# Altium PCB omni_wheel_car_PCB.PcbDoc
Units mil, origin at the board's own origin, x right, y up, seen from the top; angles counter-clockwise.
Board outline 2000 x 2000 mil, 2 copper layers (Top Layer, Bottom Layer); 81 components, 75 nets, 346 pads, 76 vias.
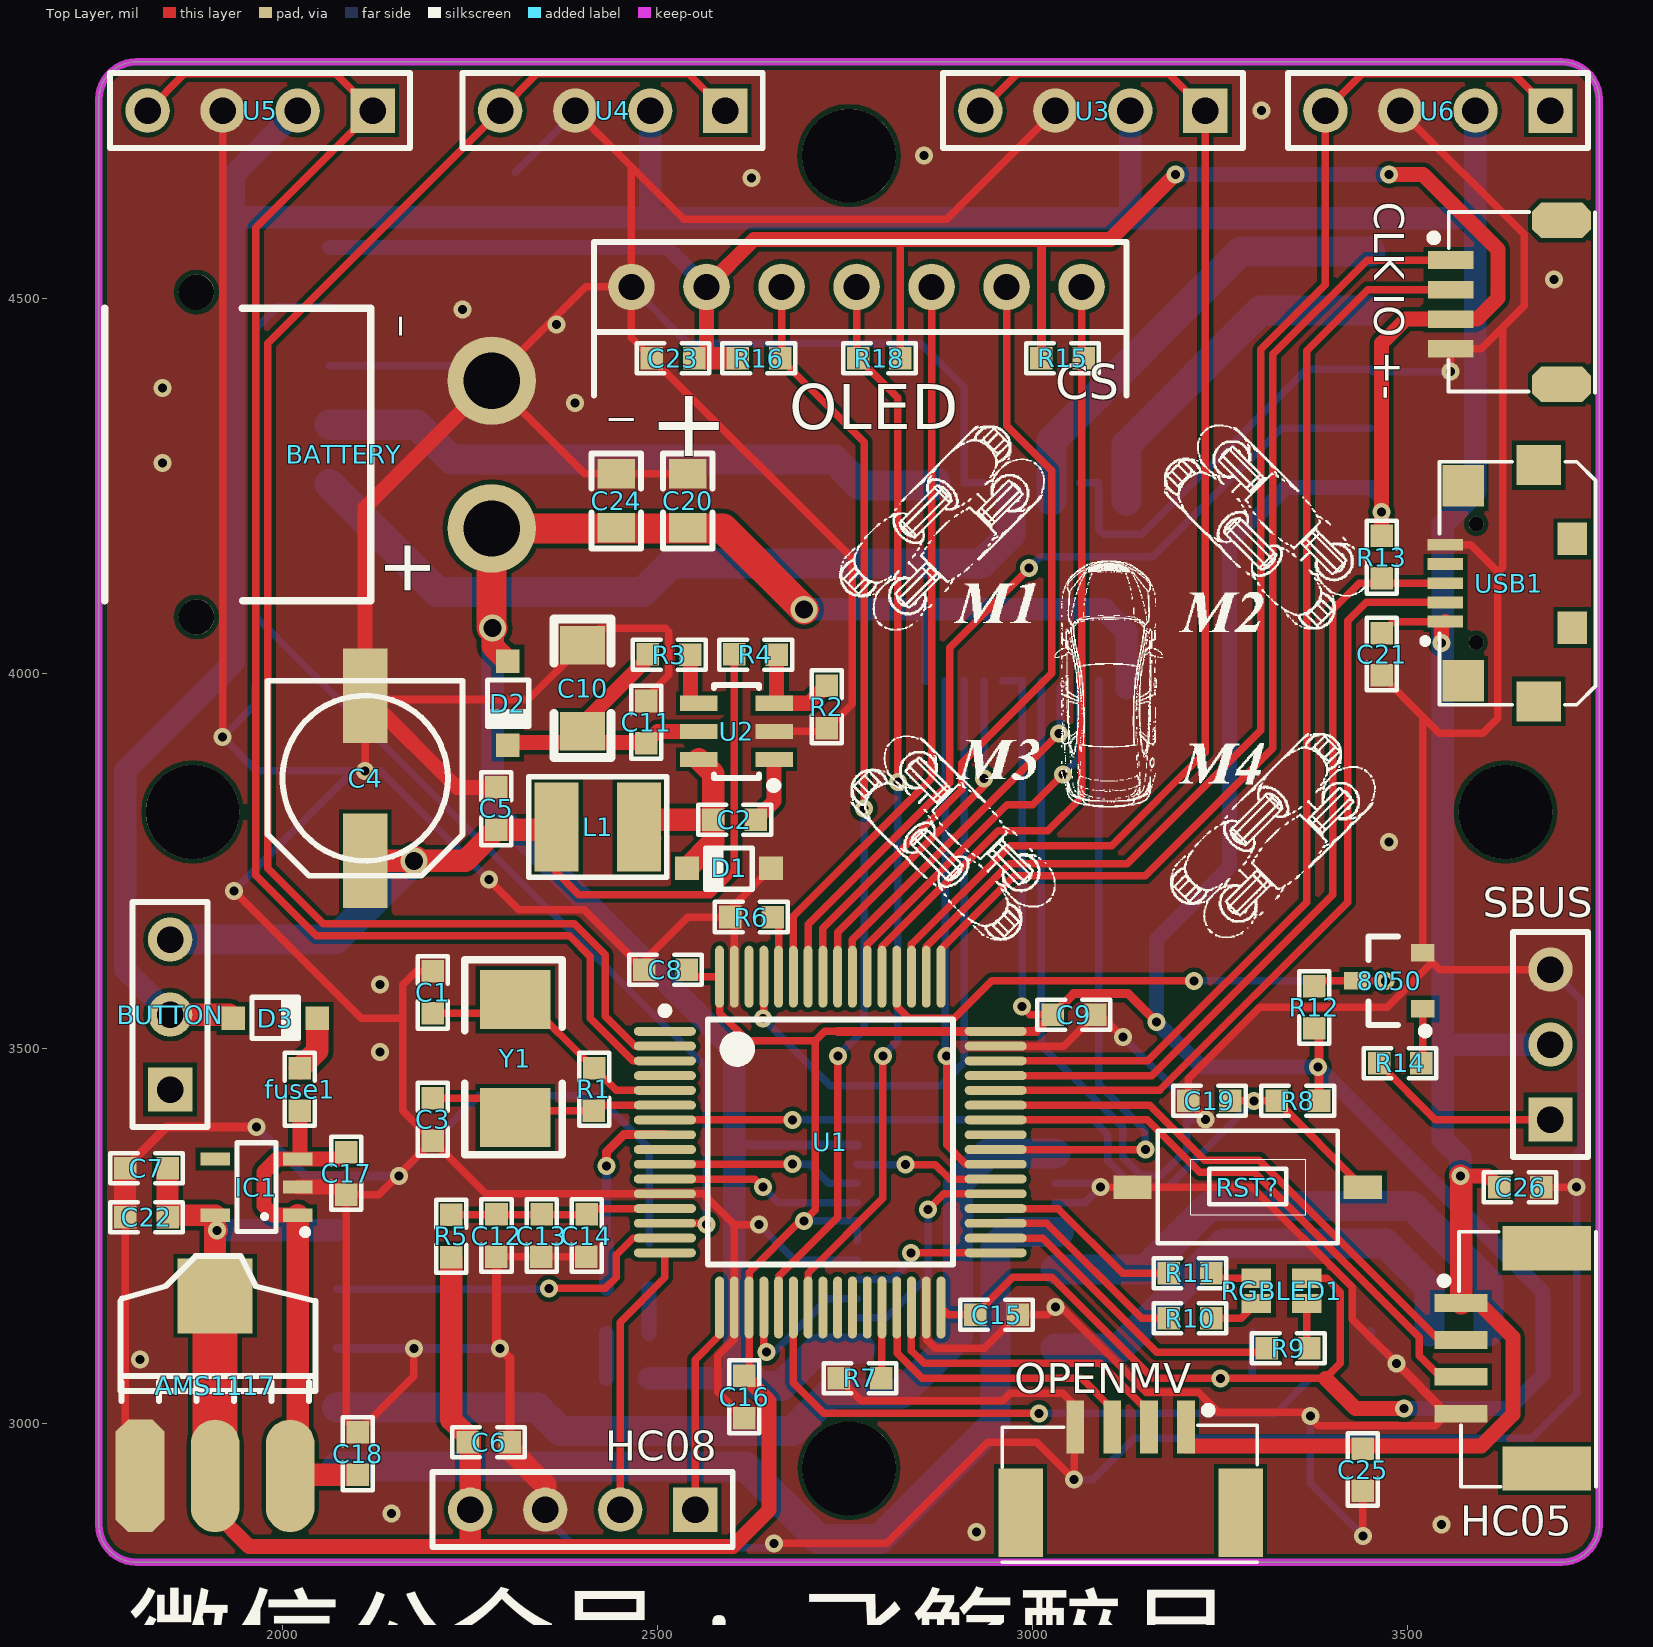
[diagram p0: Top Layer view]
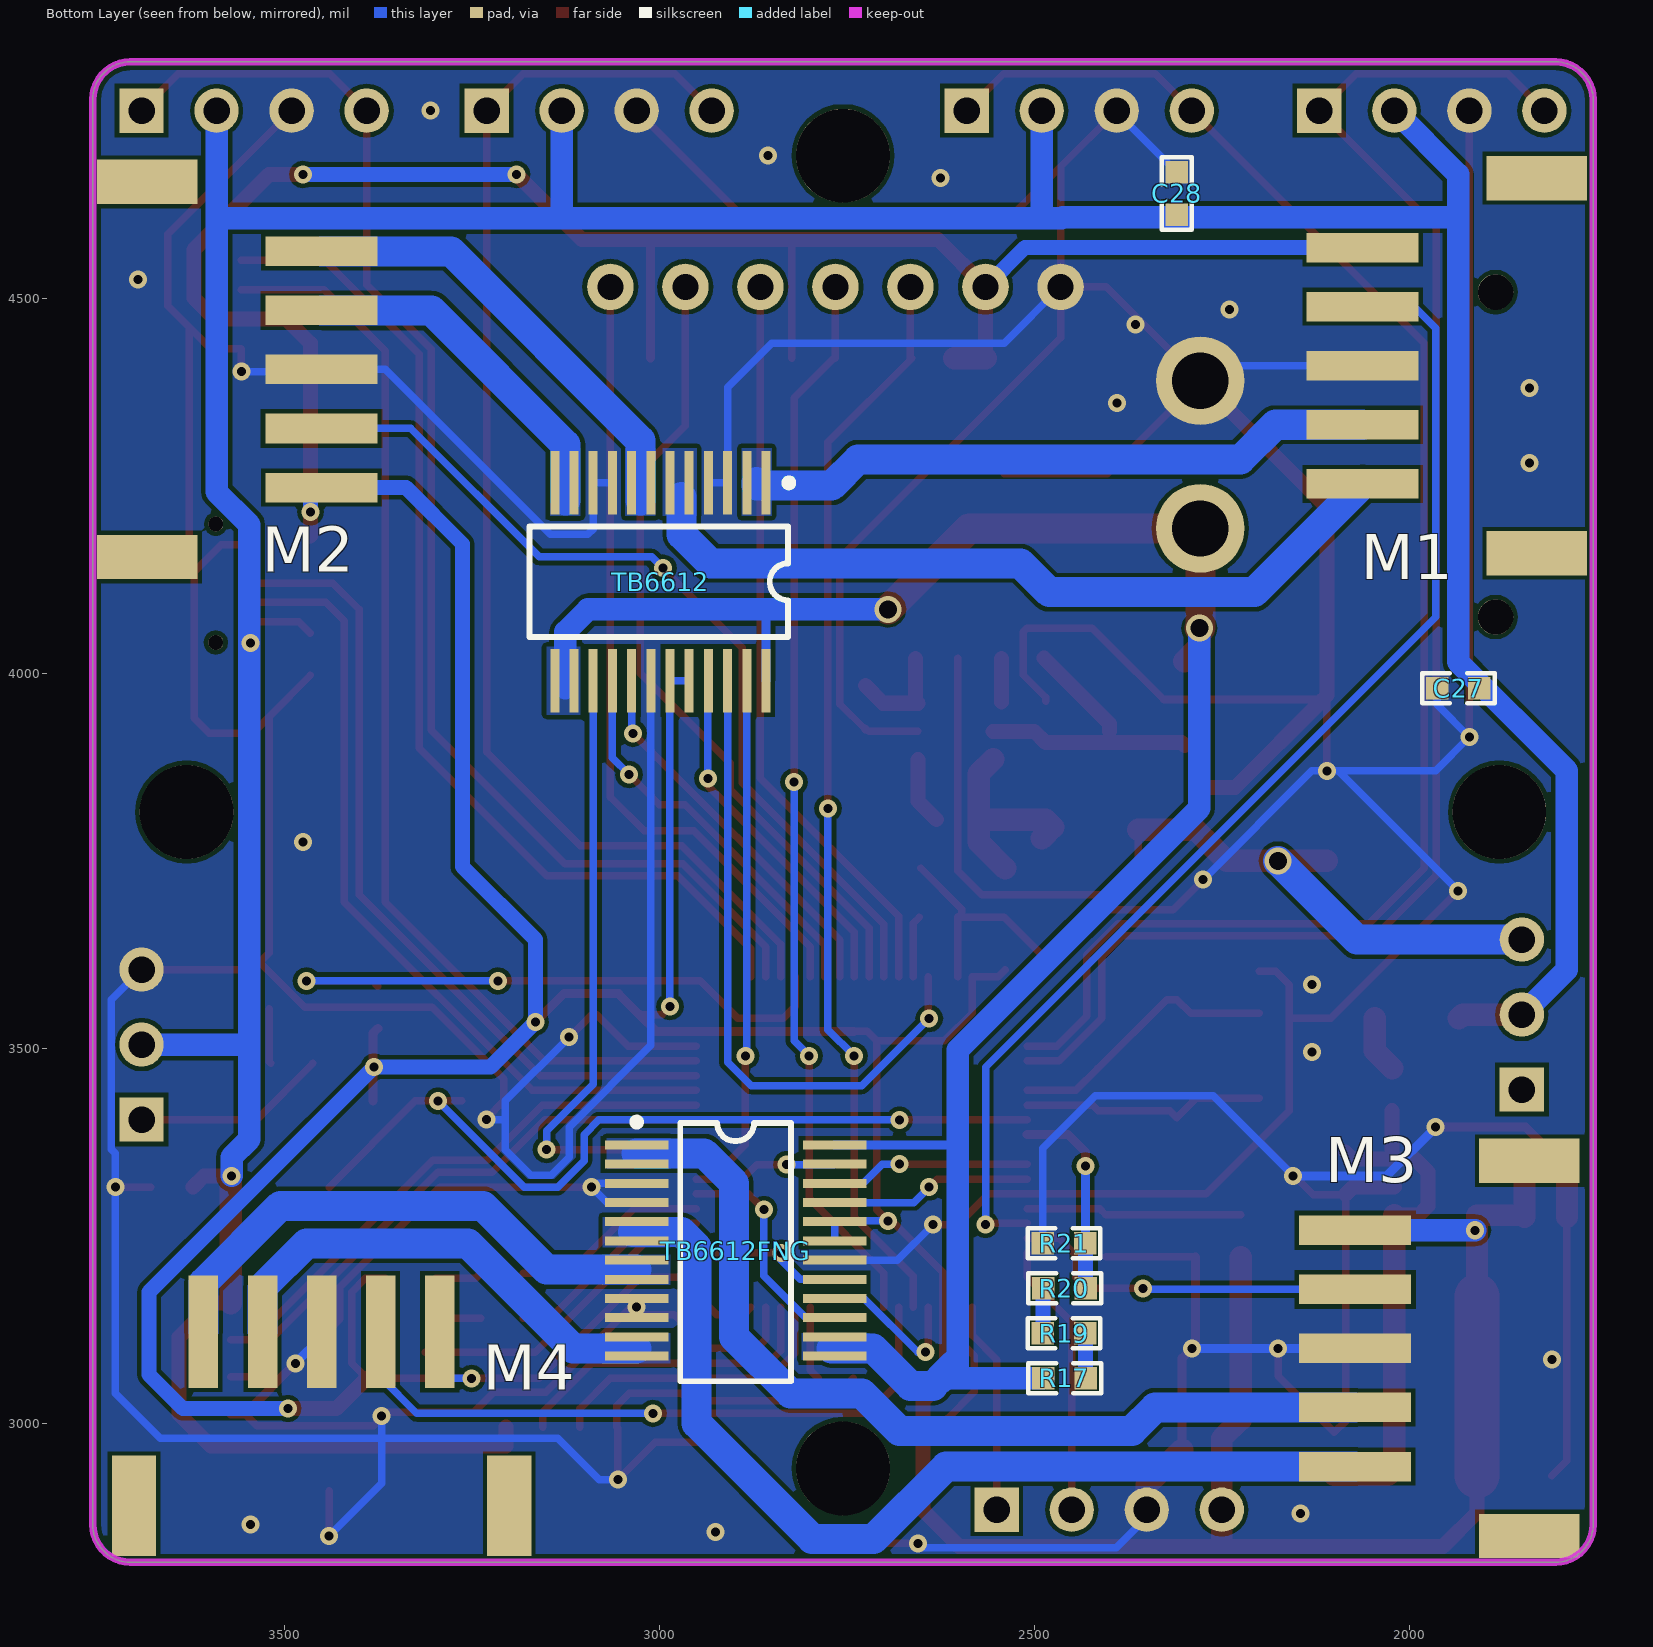
[diagram p1: Bottom Layer view, seen from below]

## Layer stack, top to bottom
Top Solder: solder mask 0.4, Solder Resist, Dk 3.5
Top Layer: signal copper 1.4
Dielectric 1: dielectric 12.6, FR-4, Dk 4.8
Bottom Layer: signal copper 1.4
Bottom Solder: solder mask 0.4, Solder Resist, Dk 3.5

## Board outline
1755,2865 1755,4765 cw(c1805,4765) 1805,4815 3705,4815 cw(c3705,4765) 3755,4765 3755,2865 cw(c3705,2865) 3705,2815 1805,2815 cw(c1805,2865)

## Design rules (kind name [scope] priority, off if disabled: settings)
Clearance [All] p1: gap=6
PolygonConnect [All] p1: connectstyle=Direct reliefconductorwidth=10 reliefentries=4 polygonreliefangle="90 Angle" airgapwidth=10
RoutingVias [All] p1: holewidth=28 width=50 viastyle="Through Hole" minholewidth=12 minwidth=24 maxholewidth=28 maxwidth=50
SolderMaskExpansion [All] p1: expansion=4
Width [All] p1: maxlimit=60 minlimit=10 preferedwidth=10
30 further rules are at their usual default settings.

## Components (designator, comment, footprint, x,y, rotation, side; value= is the part's Value field where it differs from the comment)
8050 "SS8050" SOT23-3L 3475,3590 r90 top
AMS1117 "AMS1117-3.3" AMS1117 1809.97,2930.06 r0 top
BATTERY "XT30卧贴" XT30卧贴 1885,4075 r90 top
BUTTON "bodongkaiguan" HDR1X3 1850,3445 r90 top
C1 "20p" 0603P 2200,3575 r270 top
C2 "103" 0603P 2602,3805 r0 top
C3 "20p" 0603P 2200,3405 r90 top
C4 "220uF" CC6.56.5 2110,3860 r90 top
C5 "104" 0603P 2285,3820 r270 top
C6 "104" 0603P 2275,2975 r180 top
C7 "104" 0603P 1818,3340 r0 top
C8 "104" 0603P 2510,3605 r0 top
C9 "104" 0603P 3055,3545 r180 top
C10 "10uF" 1206 2400,3980 r270 top
C11 "104" 0603P 2485,3935 r270 top
C12 "104" 0603P 2285,3250 r90 top
C13 "104" 0603P 2345,3250 r90 top
C14 "10UF" 0603P 2405,3250 r90 top
C15 "104" 0603P 2952,3145 r180 top
C16 "100UF" 0603P 2615,3035 r90 top
C17 "104" 0603P 2085,3333 r90 top
C18 "10UF" 0603P 2100,2960 r270 top
C19 "104" 0603P 3235,3430 r0 top
C20 "10uF" 0805 2540,4230 r270 top
C21 "10UF" 0603P 3465,4025 r90 top
C22 "104" 0603P 1818,3275 r0 top
C23 "104" 0603P 2520,4420 r0 top
C24 "10uF" 0805 2445,4230 r270 top
C25 "104" 0603P 3440,2938 r90 top
C26 "104" 0603P 3650,3315 r180 top
C27 "104" 0603P 1935,3980 r180 bottom
C28 "104" 0603P 2310,4640 r270 bottom
"CLK IO +-" "SWD" SH1.0-4P 3557,4550.73 r270 top
D1 "1N5819" SOD-323 2595,3740 r0 top
D2 "1N5819" SOD-323 2300,3960 r90 top
D3 "1N4148" SOD-323 1990,3540 r180 top
fuse1 "FUSE" 0603P 2023,3445 r90 top
HC05 "Header 4" GH1.25-4P 3570.83,3160.47 r270 top
HC08 "Header 4" HDR1X4 2550,2885 r180 top
IC1 "XC6204B332MR" SOT23-5L 1965,3315 r90 top
L1 "Inductor" L__1210 2415,3800 r180 top
M1 "Header 5" PH2.0卧贴5P 1830,4660 r270 bottom
M2 "Header 5" PH2.0卧贴5P 3682.28,4155 r90 bottom
M3 "Header 5" PH2.0卧贴5P 1840,3350 r270 bottom
M4 "Header 5" PH2.0卧贴5P 3200,2890 r0 bottom
OLED "OLED_0.96_7P" OLED_7P 2465,4315 r90 top
OPENMV "Header 4" GH1.25-4P 3204.21,2995 r180 top
R1 "1M" 0603P 2415,3445 r90 top
R2 "9.53K" 0603P 2725,3955 r90 top
R3 "100K" 0603P 2515,4025 r0 top
R4 "49.9K" 0603P 2630,4025 r0 top
R5 "0R" 0603P 2225,3250 r270 top
R6 "10K" 0603P 2625,3675 r180 top
R7 "10K" 0603P 2770,3060 r180 top
R8 "10K" 0603P 3353.5,3429.94 r180 top
R9 "10K" 0603P 3340,3100 r0 top
R10 "10K" 0603P 3210,3140 r180 top
R11 "10K" 0603P 3210,3200 r180 top
R12 "10K" 0603P 3375,3555 r270 top
R13 "1.5K" 0603P 3465,4155 r270 top
R14 "1K" 0603P 3490,3480 r180 top
R15 "45K" 0603P 3040,4420 r180 top
R16 "45K" 0603P 2635,4420 r180 top
R17 "10K" 0603P 2460,3060 r180 bottom
R18 "45K" 0603P 2795,4420 r0 top
R19 "10K" 0603P 2460,3120 r0 bottom
R20 "10K" 0603P 2460,3180.13 r180 bottom
R21 "10K" 0603P 2460,3240 r0 bottom
RGBLED1 "RGB_LED_1615" RGB_LED_1615 3365,3160 r180 top
RST? "KEY_M" KEY_SOP3625 3440,3315 r180 top
SBUS "HEADER3" HDR1X3 3690,3405 r90 top
TB6612 "TB6612" ssop24 2857.64,4253.78 r270 bottom
TB6612FNG "TB6612" ssop24 3030,3371.18 r180 bottom
U1 "STM32F103RET6" STM-LQFP64_M 2730,3375 r0 top
U2 "MP2359" SOT-23-6 2655,3885.2 r180 top
U3 "Header 4" HDR1X4 3230,4750 r180 top
U4 "Header 4" HDR1X4 2590,4750 r180 top
U5 "Header 4" HDR1X4 2120,4750 r180 top
U6 "Header 4" HDR1X4 3690,4750 r180 top
USB1 "USB-5P" MICRO_USB 3550,4120 r90 top
Y1 "8MHz" 5032 2262.76,3368.15 r90 top

## Footprints (in the part's own frame and the unit in brackets; to place one, negate y for a bottom-side part, rotate by r counter-clockwise, add the part's x,y. Pads: shape width x height; smd on the part's side, far side on the other; paste and mask are expansions set on the pad)
0603P [mil]
  rect 30x30 smd: 1(-28,0) 2(28.5,-0.06)
  silkscreen extent -48,-20 49,20
0805 [mil]
  rect 39.37x50 smd: 1(-36,0) 2(36,0)
  silkscreen extent -63,-33 64,33
1206 [mil]
  rect 51.18x60 smd: 1(-57.5,0) 2(57.5,0)
  silkscreen extent -93,-38 93,38
5032 [mm]
  rect 2x2.4 smd: 1(1,-1.2) 2(5,-1.2)
  silkscreen extent -0.25,-2.79 6.35,0.51
AMS1117 [mil]
  oct 65x150 smd: 1(0.03,-0.06)
  oval 65x150 smd: 2(100.03,-0.06) 3(200.03,-0.06)
  rect 100x100 smd: 4(100.03,239.94)
  silkscreen extent -26,100 234,293
CC6.56.5 [mm]
  rect 3.2x1.5 smd: 1(-2.794,0) 2(2.8,0)
  silkscreen extent -3.3,-3.3 3.3,3.3
GH1.25-4P [mm]
  rect 0.6x1.8 smd: 1(0,0) 2(1.25,0) 3(2.5,0) 4(3.75,0)
  rect 1.5x3 smd: A(-1.85,2.9) B(5.6,2.9)
  silkscreen extent -2.41,-0.7 6.22,4.57
HDR1X3 [mm]
  rect 1.5x1.5 hole 0.9: 1(0,0)
  round 1.5 hole 0.9: 2(2.54,0) 3(5.08,0)
  silkscreen extent -1.27,-1.27 6.35,1.27
HDR1X4 [mm] "Connector; Header; 4 Position"
  rect 1.5x1.5 hole 0.9: 1(0,0)
  round 1.5 hole 0.9: 2(2.54,0) 3(5.08,0) 4(7.62,0)
  silkscreen extent -1.27,-1.27 8.89,1.27
KEY_SOP3625 [mm]
  rect 1.3x0.8 smd: 1(0,0) 2(7.8,0)
  silkscreen extent 0.85,-1.9 6.95,1.9
L__1210 [mm]
  rect 1.5x3 smd: 1(-1.521,0.127) 2(1.267,0.127)
  silkscreen extent -2.46,-1.57 2.21,1.83, body extent -2.02,-1.38 1.46,1.63, height 1.9
MICRO_USB [mm]
  rect 1.35x1.5 smd: 0(-4,-3.16) 0(4,-3.16)
  rect 1.4x1.4 smd: 0(-3.3,-0.6) 0(3.3,-0.6)
  round 0.5 hole 0.5 paste+0 mask+0: 0(-2.007,-1.041) 0(2.007,-1.041)
  rect 1.1x1 smd: 0(-1.5,-4.3) 0(1.5,-4.3)
  rect 0.4x1.2 smd: 1(-1.3,0) 2(-0.65,0) 3(0,0) 4(0.65,0) 5(1.3,0)
  silkscreen extent -4.11,-5.08 4.11,0.79, body extent -3.9,-4.72 3.9,0.28, height 2.83
OLED_7P [mil]
  round 62 hole 35: 1(200,0) 2(200,-100) 3(200,-200) 4(200,-300) 5(200,-400) 6(200,-500) 7(200,-600)
  silkscreen extent 55,-660 260,50
PH2.0卧贴5P [mm]
  rect 1.5x3.4 smd: 0(0,0) 0(12.7,0)
  rect 1x3.8 smd: 1(2.35,-5.9) 2(4.35,-5.9) 3(6.35,-5.9) 4(8.35,-5.9) 5(10.35,-5.9)
RGB_LED_1615 [mm]
  rect 1x0.65 smd: 1(0,0) 2(1.7,0) 3(0,-0.85) 4(1.7,-0.85)
SH1.0-4P [mm]
  rect 0.6x1.55 smd: 1(0,0) 2(1,0) 3(2,0) 4(3,0)
  oct 1.2x2 smd: A(-1.346,3.759) B(4.21,3.759)
  silkscreen extent -1.63,-0.7 4.48,4.89
SOD-323 [mm]
  rect 0.8x0.8 smd: 1(1.422,0) 2(-1.422,0)
  silkscreen extent -0.79,-0.74 0.79,0.69
SOT23-3L [mm]
  rect 0.6x0.8 smd: 1(-0.95,-1.143) 2(0.95,-1.143) 3(0,1.125)
  silkscreen extent -1.83,-1.34 1.5,0.7, body extent -1.5,-1.2 1.5,1.2, height 1.05
SOT23-5L [mm]
  rect 0.45x1 smd: 1(-0.95,-1.4) 2(0,-1.4) 3(0.95,-1.4) 4(0.95,1.4) 5(-0.95,1.4)
  silkscreen extent -1.6,-1.73 1.5,0.66, body extent -1.5,-1.4 1.5,1.4, height 1.15
SOT-23-6 [mil]
  rect 50x20 smd: 1(0,0) 2(0,-37.4) 3(0,-74.8) 4(100,-74.8) 5(100,-37.4) 6(100,0)
  silkscreen extent 0,-99 80,35
ssop24 [mm] "SSOP24"
  rect 2.15x0.305 smd: 1(0,0) 2(0,-0.65) 3(0,-1.3) 4(0,-1.95) 5(0,-2.6) 6(0,-3.25) 7(0,-3.9) 8(0,-4.55) 9(0,-5.2) 10(0,-5.85) 11(0,-6.5) 12(0,-7.15) 13(6.7,-7.15) 14(6.7,-6.5) 15(6.7,-5.85) 16(6.7,-5.2) 17(6.7,-4.55) 18(6.7,-3.9) 19(6.7,-3.25) 20(6.7,-2.6) 21(6.7,-1.95) 22(6.7,-1.3) 23(6.7,-0.65) 24(6.7,0)
  silkscreen extent -0.12,-8 5.22,0.9
STM-LQFP64_M [mm] "Thin QFP, 64-Leads, Body 10x10mm, Pitch 0.5mm, IPC Low Density"
  oval 2.1x0.3 smd: 1(-5.6,3.75) 2(-5.6,3.25) 3(-5.6,2.75) 4(-5.6,2.25) 5(-5.6,1.75) 6(-5.6,1.25) 7(-5.6,0.75) 8(-5.6,0.25) 9(-5.6,-0.25) 10(-5.6,-0.75) 11(-5.6,-1.25) 12(-5.6,-1.75) 13(-5.6,-2.25) 14(-5.6,-2.75) 15(-5.6,-3.25) 16(-5.6,-3.75) 33(5.6,-3.75) 34(5.6,-3.25) 35(5.6,-2.75) 36(5.6,-2.25) 37(5.6,-1.75) 38(5.6,-1.25) 39(5.6,-0.75) 40(5.6,-0.25) 41(5.6,0.25) 42(5.6,0.75) 43(5.6,1.25) 44(5.6,1.75) 45(5.6,2.25) 46(5.6,2.75) 47(5.6,3.25) 48(5.6,3.75)
  oval 0.3x2.1 smd: 17(-3.75,-5.6) 18(-3.25,-5.6) 19(-2.75,-5.6) 20(-2.25,-5.6) 21(-1.75,-5.6) 22(-1.25,-5.6) 23(-0.75,-5.6) 24(-0.25,-5.6) 25(0.25,-5.6) 26(0.75,-5.6) 27(1.25,-5.6) 28(1.75,-5.6) 29(2.25,-5.6) 30(2.75,-5.6) 31(3.25,-5.6) 32(3.75,-5.6) 49(3.75,5.6) 50(3.25,5.6) 51(2.75,5.6) 52(2.25,5.6) 53(1.75,5.6) 54(1.25,5.6) 55(0.75,5.6) 56(0.25,5.6) 57(-0.25,5.6) 58(-0.75,5.6) 59(-1.25,5.6) 60(-1.75,5.6) 61(-2.25,5.6) 62(-2.75,5.6) 63(-3.25,5.6) 64(-3.75,5.6)
  silkscreen extent -5.72,-4.15 4.15,4.57, body extent -5,-5 5,5, height 1.6
XT30卧贴 [mm]
  round 1.2 hole 1.2: 0(0,0) 0(11,0)
  round 3 hole 1.9: 1(3,-10) 2(8,-10)
  silkscreen extent 0.55,-5.9 10.45,3.1

## Part data
8050: library part 8050-SMD, "高频放大-NPN型"
AMS1117: library part AMS1117
C1 C2 C3 C5 C10 C11 C12 C13 C14 C20 C24: library part C
C4: library part CAP
C6 C7 C8 C9 C15 C16 C17 C18 C19 C21 C22 C23 C25 C26 C27 C28: library part C_1
"CLK IO +-": library part "Header 4", "Header, 4-Pin"
D1 D2 D3: library part D
HC05 HC08 OPENMV U3 U4 U5 U6: "Header, 4-Pin"
IC1: library part "LDO XC6204", "LDO"
L1: "电感"
M1 M2 M3 M4: "Header, 5-Pin"
R1: library part R_1
R2 R3 R4 R5 R6 R7 R8 R9 R10 R11 R12 R13 R14 R15 R16 R17 R18 R19 R20 R21: library part R
SBUS: library part bodongkaiguan
TB6612 TB6612FNG: library part TB6612FNG, "Motor driver with 2 H bridge"
U2: "DC DC Step Down IC"
USB1: "微型USB母座"
Y1: library part XTAL, "Crystal Oscillator"

## Free pads (board coordinates)
  round 125 hole 125: 0(1880,3815) 0(2755,2940) 0(2755,4690) 0(3630,3815)

## Via types
v1: diameter 24, hole 12, Top Layer to Bottom Layer, 73 vias
v2: diameter 36, hole 24, Top Layer to Bottom Layer, 3 vias

## Nets (pads, with @x,y where several pads share a name; then routed paths per layer and width w, separated by ;. In a path a pad name is that pad's centre, name@x,y a point inside that pad or via, vN(x,y) a via of type N, cw(c..) or ccw(c..) an arc to the next point about the centre after c; other vN are vias at no path point)
3V3: "CLK IO +-.3" AMS1117.2 AMS1117.4 C6.2 C7.2 C8.2 C9.2 C15.2 C16.2 C22.2 C23.2 HC08.4 IC1.5 M1.1 M2.1 M3.1 M4.1 OLED.2 R5.2 R8.1 R12.2 R13.1 R15.2 R16.2 R18.2 RGBLED1.3 TB6612.19 TB6612.20 TB6612FNG.19 TB6612FNG.20 U1.19 U1.32 U1.48 U1.64 | length 9524.2
  Top Layer w10: C8.2 2547.96,3595.47 U1.64 2582.36,3547.64 2620,3510 2710,3510 ; R16.2@2606.37,4419.94 R16.2 ; C16.2 2621.73,3070.17 U1.19 2621.73,3201.73 2690,3270 v1(2695,3270) 2710,3285 2710,3510 ; 2740,3522.64 2722.64,3522.64 2710,3510 ; 2823,4578.5 2823,4420.44 R18.2 ; U1.32 2887.1,3145.06 C15.2 2973.44,3195 3025,3195 3160,3060 v1(3250,3060) 3390,3060 3410,3080 3410,3175 3391.54,3193.46 RGBLED1.3 ; v1(2985.59,3555.59) 2996.12,3545.06 C9.2
  Top Layer w12: 2740,3522.64 U1.48 3004.07,3522.64 C9.2 3054.44,3573 3127,3573 v1(3165,3535) ; R15.2 3011.5,4578.5 ; R12.2 3381.5,3519.94 R8.1
  Top Layer w20: AMS1117.2 1910,2881 1955,2836 2600,2836 2648.56,2884.56 2648.56,3030 C16.2 ; 2565,4419.94 OLED.2 2628.5,4578.5 2823,4578.5 3011.5,4578.5 3103.5,4578.5 v1(3190,4665) ; 3390,3060 3430,3020 v1(3495,3020) ; R13.1 v1(3465,4215) 3465,4440 3496.99,4471.99 3557,4471.99 3591.99,4471.99 3620,4500 3620,4565 3520,4665 v1(3475,4665)
  Top Layer w29: C7.2 C22.2 1849.16,3277.6 IC1.5 1909.88,3260 1909.88,3170.12 AMS1117.4 ; 2224.94,3005 2250,2979.94 HC08.4 2250,2840.5
  Top Layer w30: v1@1909.88,3260 v1(1912.4,3257.48) ; 2224.94,3005 R5.2 ; 2565,4419.94 R16.2@2606.37,4419.94
  Top Layer w60: AMS1117.2 AMS1117.4
  Bottom Layer w10: v1(2695,3270) 2765.04,3270 TB6612FNG.20 TB6612FNG.19 ; TB6612.20 TB6612.19 v1(2985.59,3555.59) ; v1(3250,3060) 3292.52,3060 M4.1
  Bottom Layer w20: M1.1 2512.52,4567.48 OLED.2 ; v1(3190,4665) v1(3475,4665) ; v1(3465,4215) 3465,4232.52 M2.1 3337.52,4247.52 3262.5,4172.5 3262.5,3742.5 3165,3645 v1(3165,3535) 3225,3475 v1(3380,3475) 3680,3175 3680,3065 3635,3020 v1(3495,3020)
  Bottom Layer w30: v1(1912.4,3257.48) M3.1
5V: BUTTON.2 C21.2 C25.2 C26.2 C27.2 C28.2 D3.1 HC05.1 OPENMV.1 SBUS.2 U3.2 U4.2 U5.2 U6.2 USB1.1 | length 5965.4
  Top Layer w10: C21.2 3480.38,4068.82 USB1.1
  Top Layer w20: OPENMV.1 3204.21,2970 3597.86,2970 3640,3012.14 3640,3115 3594.53,3160.47 HC05.1 ; v1(3545,4040) 3545,4063.82 USB1.1 ; v1(3570,3330) 3606.56,3330 C26.2
  Top Layer w30: BUTTON.2 1929,3545 D3.1 ; v1(3570,3330) 3570.83,3329.17 HC05.1
  Bottom Layer w30: BUTTON.2 1790,3605 1790,3870 1935,4015 1935,4610 ; U5.2 1935,4665 1935,4610 ; U4.2 2490,4606.5 ; U3.2 3130,4606.5 ; v1(3570,3330) 3570,3355 3546.5,3378.5 3546.5,3505 ; U6.2 3590,4605 ; SBUS.2 3546.5,3505 ; 1935,4610 1936.83,4608.17 2461.83,4608.17 2463.5,4606.5 2490,4606.5 ; 2490,4606.5 3130,4606.5 ; 3130,4606.5 3588.5,4606.5 3590,4605 ; 3546.5,3505 3546.5,4198.12 3590,4241.62 3590,4605
5V_MP: BUTTON.3 C4.1 C5.2 L1.2 R4.1 | length 1240.9
  Top Layer w10: L1.2@2361.6,3791.5 2361.6,3738.4 2395,3705 2570,3705 2602,3737 R4.1@2602,4020
  Top Layer w30: C4.1 v2(2175,3750) ; v2@2176.72,3750 2243.44,3750 C5.2 L1.2@2361.6,3791.5
  Top Layer w40: v2(2175,3750) v2@2176.72,3750
  Bottom Layer w40: BUTTON.3 2070,3645 v2(2175,3750)
5V_VCC: AMS1117.3 C17.2 C18.2 fuse1.1 IC1.1 IC1.3 | length 703
  Top Layer w20: IC1.1 1987.4,3277.6 1975,3290 1975,3335 1992.4,3352.4 IC1.3 ; fuse1.1 2023,3355.28 IC1.3 ; C17.2 2075.97,3352.4 IC1.3
  Top Layer w30: IC1.1 2020.12,2940.12 2028.73,2931.5 C18.2
12V_BAT: BATTERY.1 C20.2 C24.2 D2.1 R17.1 TB6612.13 TB6612.14 TB6612.24 TB6612FNG.13 TB6612FNG.14 TB6612FNG.24 | length 2860.4
  Top Layer w30: v2(2280,4060) 2280,4036 D2.1
  Top Layer w40: v2(2280,4060) 2278.7,4061.3 BATTERY.1 2586.89,4193.11 v2(2695,4085)
  Bottom Layer w12: 2615,3371.18 TB6612FNG.24 ; TB6612.24 2857.64,4085
  Bottom Layer w30: v2(2280,4060) 2280,3820 2602,3498 2602,3083 2607,3078 ; R17.1 2625,3060 2635,3050 ; v2(2695,4085) 2857.64,4085 3095,4085 3125,4055 3125,3980
  Bottom Layer w40: 2607,3078 2625,3060 ; 2635,3050 2665,3050 2715,3100 2770,3100
ADC1: R20.2 R21.1 U1.8 | length 269.1
  Top Layer w12: v1(2432,3343) 2432,3362 2454.84,3384.84 U1.8
  Bottom Layer w12: R21.1 v1(2432,3343)
  Bottom Layer w20: R20.2 2431.5,3239.5 R21.1
ADC2: U1.9
BOOT0: R6.1 U1.60 | length 82.9
  Top Layer w10: R6.1 2661.1,3666.9 U1.60
BOOT1: R7.1 U1.28 | length 99
  Top Layer w10: R7.1@2788,3060 2798.9,3070.9 U1.28
GND: 8050.2 "CLK IO +-.4" AMS1117.1 BATTERY.2 C1.1 C3.1 C4.2 C5.1 C6.1 C7.1 C8.1 C9.1 C10.1 C11.1 C12.1 C13.1 C14.1 C15.1 C16.1 C17.1 C18.1 C19.1 C20.1 C21.1 C22.1 C23.1 C24.1 C25.1 C26.1 C27.1 C28.1 D1.1 HC05.4 HC08.3 IC1.2 M1.3 M2.3 M3.3 M4.3 OLED.1 OPENMV.4 R2.1 R6.2 R7.2 R21.2 RST?.2 SBUS.3 TB6612.3 TB6612.4 TB6612.9 TB6612.10 TB6612.18 TB6612FNG.3 TB6612FNG.4 TB6612FNG.9 TB6612FNG.10 TB6612FNG.18 U1.12 U1.18 U1.31 U1.47 U1.63 U2.2 U3.3 U4.3 U5.3 U6.3 USB1.5 | length 19573.5
  Top Layer w10: C22.1 1790,2950 AMS1117.1 ; v1(1920,3915) U5.3 ; v1(1935,3710) 2105,3540 2160,3540 ; v1(2110,3870) C4.2 2115.24,3965 2327.5,3965 C10.1 2422.5,4060 2510,4060 2515,4055 2515,3997.88 2485,3967.88 C11.1 ; v1(2175,3100) 2175,3063 C18.1 2085,3003 C17.1 2128,3305 C3.1 ; C1.1 2178,3603 2160,3585 2160,3540 ; v1(2275,3725) 2315,3685 2402,3685 C8.1 2482,3617 2540,3675 2596.44,3675 R6.2 2596.5,3685.5 D1.1 ; C12.1 C13.1 C14.1 ; U4.3 2465,4675 ; C20.1 C24.1 2402.66,4266 BATTERY.2 2403.74,4515 OLED.1 ; U1.63 R6.2@2602.05,3675.06 ; C16.1 2580,3042 2580,3090 2602.05,3112.05 U1.18 2602.05,3265 ; v1(2635,3265) 2602.05,3265 ; v1(2655,2840) 2805,2840 2940,2975 3005,2975 v1(3055,2925) 3055,2993.43 OPENMV.4 3056.57,3023.43 3040,3040 2970,3040 2960,3030 2771.56,3030 R7.2 ; U2.2 2720.6,3922.6 R2.1 ; R2.1@2725,3925 2759,3959 2759,4153 C23.1 2465,4447 OLED.1 ; U1.31 2857.95,3112.05 2870,3100 2935,3100 C15.1 3020,3145 v1(3030,3155) 3037.63,3155 3151.19,3041.43 3220.58,3041.43 3247.01,3015 3362.47,3015 3380.47,2997 3536.33,2997 HC05.4@3552.17,3012.83 ; U1.47 3040.95,3502.95 C9.1 3090,3545 v1(3120,3515) ; U3.3 2885,4605 2535,4605 2465,4675 ; v1(3090,3315) RST?.2 3292.63,3315 3426,3181.63 3426,3139 v1(3485,3080) ; v1(3230,3405) 3230,3407 C19.1 3207,3459.37 3302.63,3555 3472.4,3555 3532.4,3615 ; v1(3440,2850) C25.1 ; C21.1 3520,3942 ; U6.3 3655,4585 3655,4490 3626.31,4461.31 ; USB1.5 3583.82,4171.18 3620,4135 ; v1(3557,4402) 3557,4432.62 3597.62,4432.62 3626.31,4461.31 ; C26.1 v1(3725,3315) ; SBUS.3 3542.4,3605 3532.4,3615 ; 2160,3540 2160,3417 C3.1 ; C3.1 2270.9,3306.1 U1.12 2560.94,3306.1 2602.05,3265 ; OLED.1 2465,4675 ; 3520,3942 8050.2 3532.4,3615 ; 3520,3942 3542,3920 3600,3920 3620,3940 3620,4135 ; 3620,4135 3626.31,4141.31 3626.31,4461.31
  Top Layer w12: C7.1 1845,3395 v1(1965,3395) ; C12.1 2285,3105 v1(2290,3100) 2303,3087 C6.1 C6.1@2303,2965 ; v1(3485,3080) HC05.4@3550,3015 ; HC05.4@3552.17,3012.83 HC05.4
  Top Layer w20: IC1.2 2075,3315 C17.1 ; C4.2 2110,4221.26 BATTERY.2 ; C4.2@2115.24,3965 2232.24,3848 C5.1
  Top Layer w29: C22.1 C7.1
  Top Layer w30: C6.1@2303,2965 2350,2918 HC08.3
  Bottom Layer w10: v1(1935,3710) 2095,3870 ; C27.1 1963,3958 v1(1920,3915) 1965,3870 2095,3870 ; M1.3 2258.66,4410 BATTERY.2 ; v1(2155,3330) 2261.5,3436.5 2418.5,3436.5 2488.5,3366.5 R21.2 ; v1(2275,3725) 2130,3870 v1(2110,3870) 2095,3870 ; C28.1 2390,4748 U4.3 ; HC08.3@2350,2875 2390.53,2834.47 2649.47,2834.47 v1(2655,2840) ; OLED.1 2540,4440 2850,4440 2908.82,4381.18 TB6612.3 TB6612.4 ; v1(2635,3265) 2682.36,3217.64 TB6612FNG.18 ; TB6612.18 3011.18,3503.82 3120,3395 3120,3355 3144,3331 3171,3331 3205,3365 3205,3405 ; TB6612FNG.4 3069.41,3294.41 v1(3090,3315) 3085,3320 TB6612FNG.3 ; v1(3055,2925) 3080,2925 3135,2980 3370,2980 ; TB6612.9 TB6612.10 3087.95,4192.05 3095,4185 3145,4185 3365,4405 M2.3 3453,4402 v1(3557,4402) ; v1(3120,3515) 3205,3430 3205,3405 ; v1(3230,3405) 3205,3405 ; v1(3370,3010) 3370,2980 ; v1(3440,2850) 3370,2920 3370,2980 ; SBUS.3 3730.53,3564.47 3730.53,3365.39 3725,3359.86 v1(3725,3315) 3725,3040 3665,2980 3370,2980
  Bottom Layer w12: v1(1965,3395) 2030,3330 v1(2155,3330) ; M3.3 v1(2175,3100) v1(2290,3100) ; M4.3 3450,3115 v1(3485,3080)
  other v1: 2925,2855 3545,2865 2145,2880 1810,3085 2130,3495 2130,3585 3475,3775 1840,4280 2390,4360 1840,4380 2365,4465 2240,4485 3695,4525 2625,4660 2855,4690 3305,4750
LEDB: R11.2 U1.36 | length 266.8
  Top Layer w10: U1.36 3033.58,3286.42 3119.94,3200.06 R11.2
LEDG: R10.2 U1.35 | length 283.5
  Top Layer w10: U1.35 3018.27,3266.73 3144.94,3140.06 R10.2
LEDR: R9.1 U1.34 | length 424.5
  Top Layer w10: U1.34 3012.95,3247.05 3165,3095 R9.1@3312,3095
M1_N: M1.5 TB6612.5 TB6612.6 | length 1049.4
  Bottom Layer w40: M1.5 2206.75,4108.06 2480,4108.06 2518.47,4146.53 2931.53,4146.53 2970,4185 2970,4235
M1_P: M1.4 TB6612.1 TB6612.2 | length 846.4
  Bottom Layer w40: M1.4 2178.74,4331.26 2225,4285 2735,4285 2770,4250 2870,4250 2870,4255
M2_N: M2.5 TB6612.7 TB6612.8 | length 609.6
  Bottom Layer w40: 3025,4230 3025,4310 3277.48,4562.48 M2.5
M2_P: M2.4 TB6612.11 TB6612.12 | length 474
  Bottom Layer w40: 3125,4230 3125,4305 3303.74,4483.74 M2.4
M3_N: M3.5 TB6612FNG.5 TB6612FNG.6 | length 1309.8
  Bottom Layer w40: M3.5 2617.48,2942.52 2714,2846 2796,2846 2950,3000 2950,3235 2970,3255 3035,3255
M3_P: M3.4 TB6612FNG.1 TB6612FNG.2 | length 1244
  Bottom Layer w40: M3.4 2338.74,3021.26 2370,2990 2679.84,2990 2729.84,3040 2825,3040 2900,3115 2900,3320 2940,3360 3030,3360
M4_N: M4.5 TB6612FNG.7 TB6612FNG.8 | length 720.4
  Bottom Layer w40: 3030,3205 3150,3205 3235,3290 3505,3290 3607.48,3187.52 M4.5
M4_P: M4.4 TB6612FNG.11 TB6612FNG.12 | length 640
  Bottom Layer w40: 3030,3100 3115,3100 3255,3240 3470,3240 3528.74,3181.26 M4.4
Net8050_1: 8050.1 R14.1 | length 73.4
  Top Layer w10: R14.1 3520,3482 8050.1
NetC2_1: C2.1 D1.2 L1.1 U2.6 | length 292
  Top Layer w30: L1.1@2489.9,3780 L1.1 2484.9,3805 C2.1 ; D1.2 2574,3775 C2.1 ; U2.6 2574,3866.2 C2.1
NetC2_2: C2.2 U2.1 | length 90.4
  Top Layer w20: C2.2 2655,3829.44 U2.1
NetC10_2: C10.2 C11.2 D2.2 R3.1 U2.5 | length 396.2
  Top Layer w20: D2.2 2303.6,3907.6 2484.94,3907.6 2499.94,3922.6 U2.5 ; C10.2 2400,3933 R3.1@2487,4020
NetD3_2: D3.2 fuse1.2 | length 76
  Top Layer w30: fuse1.2 2046,3496.44 D3.2
NetR2_2: R2.2 R4.2 U2.3 | length 144.7
  Top Layer w20: R4.2@2658.5,4019.94 U2.3@2658.5,3963.5 ; R2.2 2701.56,3960 U2.3@2658.5,3960 ; U2.3@2658.5,3960 U2.3 U2.3@2658.5,3963.5 ; U2.3@2658.5,3960 U2.3@2658.5,3963.5
NetR3_2: R3.2 U2.4 | length 58.4
  Top Layer w20: U2.4@2543.5,3961.5 R3.2@2543.5,4019.94
NetR9_2: R9.2 RGBLED1.1 | length 66.5
  Top Layer w10: RGBLED1.1 3365,3098.44 R9.2@3368.5,3094.94
NetR10_1: R10.1 RGBLED1.2 | length 68.4
  Top Layer w10: R10.1 3278.07,3140 RGBLED1.2
NetR11_1: R11.1 RGBLED1.4 | length 62.8
  Top Layer w10: R11.1 3244.54,3193.46 RGBLED1.4
NetR17_2: R17.2 R19.1 | length 60.3
  Bottom Layer w20: R17.2 2431.5,3119.5 R19.1
NetR19_2: R19.2 R20.1 | length 60.3
  Bottom Layer w20: R20.1 2488.5,3179.63 R19.2
OLED_CS: OLED.7 R15.1 U1.53 | length 1068.5
  Top Layer w10: U1.53 2798.9,3635.13 2953.77,3790 3020,3790 3065,3835 OLED.7
OLED_DC: OLED.6 U1.57 | length 1070.7
  Top Layer w10: U1.57 2720.16,3660.16 2905,3845 2905,3880 3025,4000 3025,4270 2965,4330 OLED.6
OLED_RES: OLED.5 U1.59 | length 995.8
  Top Layer w10: U1.59 2680.79,3675.79 2865,3860 OLED.5
OSC_IN: C1.2 R1.2 U1.5 Y1.2 | length 367.4
  Top Layer w10: C1.2 2291.5,3546.5 Y1.2 2323.56,3565 R1.2 2444.67,3443.9 U1.5
OSC_OUT: C3.2 R1.1 U1.6 Y1.1 | length 327.1
  Top Layer w10: C3.2 2284.02,3433.5 Y1.1 2319.48,3417 R1.1 2422.21,3424.21 U1.6
PA4: TB6612FNG.16 U1.20 | length 211.8
  Top Layer w10: U1.20 2641.42,3098.58 v1(2645,3095)
  Bottom Layer w10: v1(2645,3095) 2655,3095 2726.46,3166.46 TB6612FNG.16
PA15: U1.50 U6.1 U6.4 | length 1807.8
  Top Layer w10: U1.50 2857.95,3635.58 2968.37,3746 3126,3746 3304,3924 3304,4431.63 3390,4517.63 U6.4 3439,4799 3641,4799 U6.1
PB3: TB6612.17 U1.55 | length 499.4
  Top Layer w10: U1.55 2759.53,3644.53 v1(3035,3920)
  Bottom Layer w10: v1(3035,3920) 3036.77,3921.77 TB6612.17@3036.77,3980
PB4: TB6612.21 U1.56 | length 475.6
  Top Layer w10: U1.56 2739.84,3654.84 2935,3850 v1(2935,3860)
  Bottom Layer w10: TB6612.21 2935,3989.41 v1(2935,3860)
PB8: TB6612.22 U1.61 | length 883.8
  Top Layer w10: v1(2640,3540) 2641.42,3541.42 U1.61
  Bottom Layer w10: v1(2640,3540) 2730,3450 2877.53,3450 2908.82,3481.29 TB6612.22
PB9: U1.62
PB12: TB6612FNG.17 U1.33 | length 204.7
  Top Layer w10: v1(2837.36,3227.36) U1.33
  Bottom Layer w10: TB6612FNG.17 2812.05,3192.05 2837.36,3217.36 v1(2837.36,3227.36)
PC2: TB6612FNG.22 U1.10 | length 267.2
  Top Layer w10: U1.10 v1(2679.53,3345.47)
  Bottom Layer w10: v1(2679.53,3345.47) 2702.46,3345.47 2727.93,3320 TB6612FNG.22
PC3: TB6612FNG.21 U1.11 | length 269.7
  Top Layer w10: U1.11 2629.21,3325.79 v1(2640,3315)
  Bottom Layer w10: v1(2640,3315) 2660.59,3294.41 TB6612FNG.21
PC10: U1.51 U3.1 U3.4 | length 1736.6
  Top Layer w10: U1.51 2838.27,3638.52 2969.75,3770 3105,3770 3230,3895 U3.1 3181,4799 2979,4799 U3.4
PC13: U1.2 U4.1 U4.4 | length 2154.9
  Top Layer w10: U1.2 2469.87,3502.95 2430,3542.82 2430,3625 2389,3666 2054,3666 1980,3740 1980,4440 U4.4 2339,4799 2541,4799 U4.1
PC14: U1.3 U5.1 U5.4 | length 2120.5
  Top Layer w10: U5.4 1869,4799 2071,4799 U5.1 1964,4594 1964,3731 2045,3650 2382.37,3650 2410,3622.37 2410,3540.2 2466.93,3483.27 U1.3
PD2: TB6612.16 U1.54 | length 531.6
  Top Layer w10: U1.54 2779.21,3638.07 2966.14,3825 3000,3825 v1(3040,3865)
  Bottom Layer w10: v1(3040,3865) 3062.36,3887.36 TB6612.16
PWM1: TB6612.15 U1.40 | length 850.3
  Top Layer w10: U1.40 2950.63,3365 v1(3150,3365)
  Bottom Layer w10: TB6612.15 3087.95,3452.05 3150,3390 v1(3150,3365)
PWM2: TB6612.23 U1.39 | length 695.6
  Top Layer w10: v1(2885,3490) 2885,3371.29 2910.82,3345.47 U1.39
  Bottom Layer w10: TB6612.23 2883.23,3491.77 v1(2885,3490)
PWM3: TB6612FNG.23 U1.38 | length 192.5
  Top Layer w10: v1(2830,3345) 2870,3345 2889.21,3325.79 U1.38
  Bottom Layer w10: TB6612FNG.23 2766.81,3345 v1(2830,3345)
PWM4: TB6612FNG.15 U1.37 | length 304.8
  Top Layer w10: v1(2860,3285) 2881.1,3306.1 U1.37
  Bottom Layer w10: TB6612FNG.15 2804.51,3140.87 2860.36,3196.72 v1@2860.36,3285
RST: C19.2 R8.2 RST?.1 U1.7 | length 1114.8
  Top Layer w10: U1.7 v1(2679.53,3404.53) ; C19.2 3324.94,3429.94 3439.87,3315 RST?.1
  Bottom Layer w10: v1(2679.53,3404.53) 3080.47,3404.53 3100,3385 3100,3350 3135,3315 3180,3315 v1(3295,3430)
SBUS: R14.2 SBUS.1 | length 259.6
  Top Layer w10: R14.2 3536.56,3405 SBUS.1
SBUS_MCU: 8050.3 R12.1 U1.52 | length 816.2
  Top Layer w10: U1.52 2818.58,3555.82 2834.4,3540 2895,3540 2945,3590 v1(3215,3590) ; R12.1 3382,3590 8050.3 v1(3470,3590)
  Bottom Layer w10: v1(3215,3590) v1(3470,3590)
SPI1_MOSI: OLED.4 R18.1 U1.23 | length 1431.9
  Top Layer w10: U1.23 2700.47,3200.47 2800,3300 v1(2800,3490) ; R18.1@2765,4420 OLED.4 ; R18.1 2820,4367 v1(2820,3855)
  Bottom Layer w10: v1(2800,3490) 2820,3510 v1(2820,3855)
SPI1_SCK: OLED.3 R16.1 U1.21 | length 1456
  Top Layer w10: U1.21 2661.1,3196.1 2740,3275 v1(2740,3490) ; R16.1 R16.1@2665,4418 ; OLED.3 R16.1@2665,4418 ; v1(2775,3820) 2775,4308 R16.1@2665,4418
  Bottom Layer w10: v1(2740,3490) 2775,3525 v1(2775,3820)
SWDCLK: "CLK IO +-.1" U1.49 | length 1404.4
  Top Layer w10: U1.49 2877.64,3632.64 2975,3730 3150,3730 3320,3900 3320,4425 3445.73,4550.73 3557,4550.73
SWDIO: "CLK IO +-.2" U1.46 | length 1462.9
  Top Layer w10: U1.46 3153.27,3483.27 3365,3695 3365,4430 3446.36,4511.36 3557,4511.36
TIM2_CH2: M3.2 U1.15 | length 483.1
  Top Layer w10: v1(2355,3180) 2430,3180 2445,3195 2445,3225 2467.05,3247.05 U1.15
  Bottom Layer w10: M3.2 2353.74,3178.74 v1(2355,3180)
TIM3_CH1: M4.2 U1.22 | length 825.7
  Top Layer w10: U1.22 2680.79,3054.21 2721.5,3013.5 v1(3008.5,3013.5)
  Bottom Layer w10: v1(3008.5,3013.5) 3323.5,3013.5 M4.2@3370,3060
TIM4_CH1: M2.2 U1.58 | length 1198.7
  Top Layer w10: U1.58 2700.47,3665.47 2889,3854 2889,4034 v1(2995,4140)
  Bottom Layer w10: v1(2995,4140) 3010,4155 3160,4155 3331.26,4326.26 M2.2
TIM5_CH1: M1.2 U1.14 | length 1608.9
  Top Layer w10: U1.14 2563.27,3266.73 v1(2565,3265)
  Bottom Layer w10: M1.2 1993.74,4488.74 1965,4460 1965,4075 2565,3475 v1(2565,3265)
UART1_RXD: HC05.2 U1.43 | length 750.1
  Top Layer w10: U1.43 3155.79,3424.21 3229,3351 3301.88,3351 3458,3194.88 3458,3194.63 3541.37,3111.26 HC05.2
UART1_TXD: HC05.3 U1.42 | length 777
  Top Layer w10: U1.42 3152.84,3404.53 3222.37,3335 3295.25,3335 3442,3188.25 3442,3188 3515,3115 3515,3090 3542.95,3062.05 HC05.3
UART2_RXD: HC08.1 U1.17 | length 292.9
  Top Layer w10: HC08.1@2550,2875 HC08.1 2550,3085 2582.36,3117.36 U1.17
UART2_TXD: HC08.2 U1.16 | length 377
  Top Layer w10: HC08.2@2450,2875 HC08.2 2450,3135 2509.53,3194.53 U1.16
UART3_RXD: OPENMV.2 U1.30 | length 428.4
  Top Layer w10: U1.30 2838.27,3096.73 2855,3080 3090,3080 3155,3015 OPENMV.2
UART3_TXD: OPENMV.3 U1.29 | length 403
  Top Layer w10: U1.29 2819,3154.11 2819,3093.37 2852.37,3060 3065,3060 3105.79,3019.21 OPENMV.3
USB_D+: R13.2 U1.45 USB1.3 | length 1094
  Top Layer w10: U1.45 3158.58,3463.58 3400,3705 3400,4085 3435,4120 USB1.3
USB_D-: U1.44 USB1.2 | length 1088.6
  Top Layer w10: U1.44 3168.9,3443.9 3420,3695 3420,4070 3444.41,4094.41 USB1.2
VDDA: C12.2 C13.2 C14.2 R5.1 U1.13 | length 288
  Top Layer w10: R5.1 2404.56,3278 C14.2 2412.98,3286.42 U1.13
pads on no net: "CLK IO +-.A" "CLK IO +-.B" BATTERY.0 BUTTON.1 HC05.A HC05.B IC1.4 M1.0 M2.0 M3.0 M4.0 OPENMV.A OPENMV.B U1.1 U1.4 U1.24 U1.25 U1.26 U1.27 U1.41 USB1.0 USB1.4

## Polygon pours and split planes (outlines as drawn)
M2_P on Bottom Layer "Bottom Layer-No Net" (solid, pour order 14): 3145,4210 3105,4210 3105,4300 3145,4300 3145,4210
M2_N on Bottom Layer "Bottom Layer-No Net" (solid, pour order 12): 3045,4210 3005,4210 3005,4300 3045,4300 3045,4210
M1_P on Bottom Layer "Bottom Layer-No Net" (solid, pour order 10): 2890,4210 2850,4210 2850,4300 2890,4300 2890,4210
M1_N on Bottom Layer "Bottom Layer-No Net" (solid, pour order 8): 2995,4210 2950,4210 2950,4300 2995,4300 2995,4210
M4_N on Bottom Layer "Bottom Layer-No Net" (solid, pour order 6): 2985,3185 2985,3225 3075,3225 3075,3185 2985,3185
M4_P on Bottom Layer "Bottom Layer-No Net" (solid, pour order 4): 2985,3080 2985,3120 3075,3120 3075,3080 2985,3080
M3_N on Bottom Layer "Bottom Layer-No Net" (solid, pour order 2): 2985,3235 2985,3275 3075,3275 3075,3235 2985,3235
M3_P on Bottom Layer "Bottom Layer-No Net" (solid, pour order 0): 2985,3340 2985,3380 3070,3380 3070,3340 2985,3340
12V_BAT on Bottom Layer "Bottom Layer-No Net" (solid, pour order 16): 2810,3120 2810,3085 2720,3085 2720,3120 2810,3120
12V_BAT on Bottom Layer "Bottom Layer-No Net" (solid, pour order 18): 3105,4035 3150,4035 3150,3945 3105,3945 3105,4035
GND on Bottom Layer "Bottom Layer-No Net" (solid, pour order 26): 1820,4815 1805,4815 1785,4815 1780,4810 1765,4795 1765,4790 1755,4780 1755,4765 1755,2865 1760,2860 1760,2845 1760,2840 1770,2830 1785,2815 1790,2815 1805,2815 3705,2815 3720,2815 3730,2825 3735,2830 3740,2830 3755,2845 3755,2865 3755,4765 3755,4780 3755,4785 3745,4795 3740,4800 3740,4805 3725,4805 3715,4815 3690,4815 1805,4815 1810,4815 1820,4815
GND on Top Layer "Bottom Layer-No Net" (solid, pour order 24): 1805,4815 1800,4810 1780,4810 1760,4790 1755,4785 1755,4775 1755,4765 1755,2865 1755,2850 1760,2845 1770,2835 1770,2830 1775,2830 1785,2820 1790,2815 1805,2815 3705,2815 3710,2820 3735,2820 3735,2825 3745,2835 3755,2845 3755,2855 3755,2865 3755,4765 3755,4790 3750,4795 3740,4805 3735,4805 3725,4815 3705,4815 1805,4815

## Keep-outs
Keep-Out Layer:
  the board outline again, w10

## Silkscreen, mask and mechanical layers (free items; w line width, h text height)
Top Overlay:
  drawing of 11061 lines, arcs and shapes, not listed
  text "微信公众号： 飞觞醉月" at 1790,2630 h180
  text "QQ群：923703530" at 2045,2430 h180

## Text inside footprints (layer, text, board x,y; h text height)
BATTERY: Top Overlay "+" at 2220,4100 h120 r90; Top Overlay "-" at 2205,4445 h120 r90
OLED: Top Overlay "CS" at 3030,4350 h80; Top Overlay "+" at 2595,4400 h160 r180; Top Overlay "-" at 2475,4400 h160 r180